# Altium PCB PA_8CH_CTRL.PcbDoc (part 5 of 10) (continued)
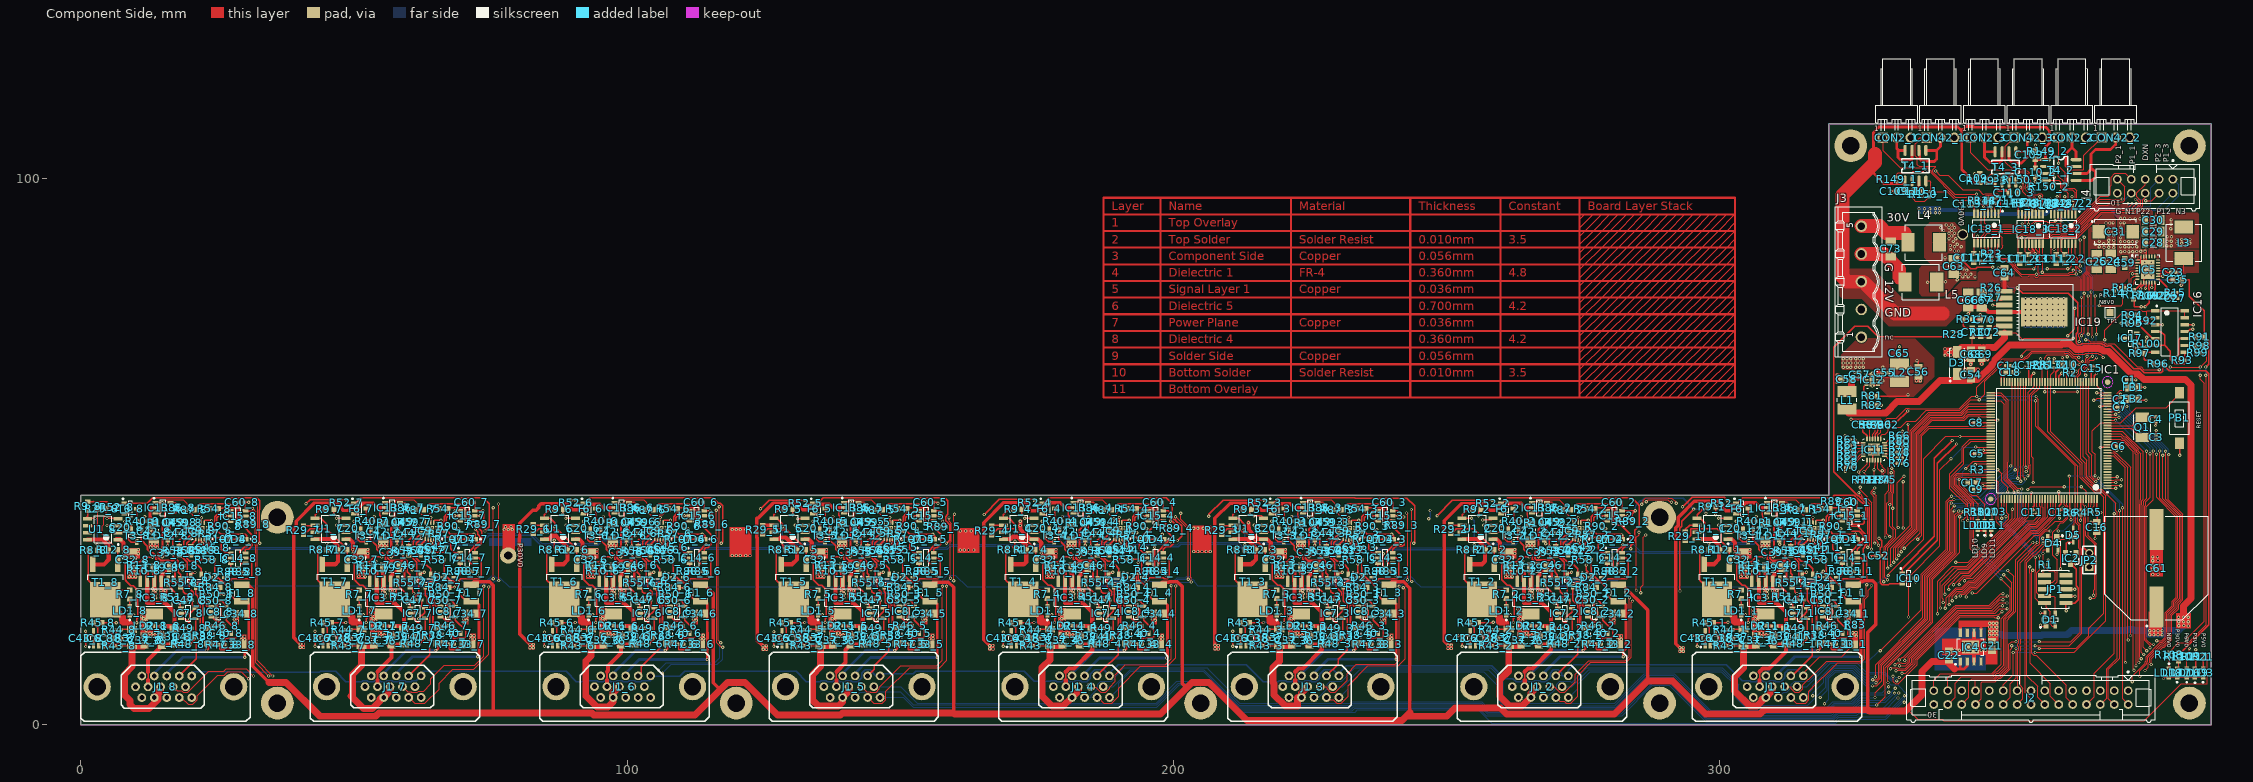
[diagram p0: Component Side view]
## Nets (pads, with @x,y where several pads share a name; then routed paths per layer and width w, separated by ;. In a path a pad name is that pad's centre, name@x,y a point inside that pad or via, vN(x,y) a via of type N, cw(c..) or ccw(c..) an arc to the next point about the centre after c; other vN are vias at no path point) (continued)
  Component Side w0.254: R53_6.2@102.212,32.706 102.059,32.858 102.059,33.786 102.89,34.617 C44_6.1@102.89,35.081 ; C44_6.1@103.119,35.259 103.17,35.31 IC9_6.11@104.369,35.31
MEAS_I_P6V_7: C44_7.1 IC9_7.11 R53_7.2 | length 4.1
  Component Side w0.254: R53_7.2@60.212,32.706 60.059,32.858 60.059,33.786 60.89,34.617 C44_7.1@60.89,35.081 ; C44_7.1@61.119,35.259 61.17,35.31 IC9_7.11@62.369,35.31
MEAS_I_P6V_8: C44_8.1 IC9_8.11 R53_8.2 | length 4.1
  Component Side w0.254: R53_8.2@18.212,32.677 18.059,32.829 18.059,33.757 18.89,34.588 C44_8.1@18.89,35.052 ; C44_8.1@19.119,35.23 19.17,35.281 IC9_8.11@20.369,35.281
MEAS_I_P29V_1: C39_1.1 IC9_1.12 R45_1.2 | length 34.1
  Component Side w0.254: R45_1.2@298.91,18.706 301.459,18.706 v1(301.549,18.796) ; 303.28,26.369 304.112,25.537 304.618,25.537 305.439,24.715 305.439,19.637 305.262,19.459 v1(305.262,18.749) ; 303.303,26.391 303.104,26.591 303.104,29.489 303.512,29.897 305.894,29.897 306.731,30.734 v1(308.127,30.734) ; v1(309.831,30.791) 309.898,30.859 310.714,30.859 310.998,31.142 310.998,31.401 C39_1.1@311.173,31.576 311.574,31.977 312.436,31.977 ; 312.437,31.977 313.65,31.977 313.882,32.208 313.882,33.853 314.838,34.81 IC9_1.12@315.369,34.81
  Solder Side w0.254: v1(301.549,18.796) 305.214,18.796 v1(305.262,18.749) ; v1(308.127,30.734) 309.774,30.734 v1(309.831,30.791)
MEAS_I_P29V_2: C39_2.1 IC9_2.12 R45_2.2 | length 34.1
  Component Side w0.254: R45_2.2@255.91,18.706 258.457,18.706 v1(258.547,18.796) ; 260.28,26.369 261.112,25.537 261.618,25.537 262.439,24.715 262.439,19.637 262.262,19.459 v1(262.262,18.749) ; 260.303,26.391 260.104,26.591 260.104,29.489 260.512,29.897 262.894,29.897 263.731,30.734 v1(265.125,30.734) ; v1(266.831,30.791) 266.898,30.859 267.714,30.859 267.99,31.134 267.99,31.393 C39_2.1@268.173,31.576 268.574,31.977 269.436,31.977 ; 269.437,31.977 270.65,31.977 270.882,32.208 270.882,33.881 271.811,34.81 IC9_2.12@272.369,34.81
  Solder Side w0.254: v1(258.547,18.796) 262.214,18.796 v1(262.262,18.749) ; v1(265.125,30.734) 266.774,30.734 v1(266.831,30.791)
MEAS_I_P29V_3: C39_3.1 IC9_3.12 R45_3.2 | length 33.9
  Component Side w0.254: R45_3.2@213.91,18.706 216.46,18.706 v1(216.502,18.749) ; 218.28,26.369 219.112,25.537 219.618,25.537 220.439,24.715 220.439,19.637 220.262,19.459 v1(220.262,18.749) ; 218.303,26.391 218.104,26.591 218.104,29.489 218.512,29.897 220.894,29.897 221.731,30.734 v1(223.114,30.734) ; v1(224.831,30.791) 224.898,30.859 225.714,30.859 225.99,31.134 225.99,31.393 C39_3.1@226.173,31.576 226.574,31.977 227.436,31.977 ; 227.437,31.977 228.65,31.977 228.882,32.208 228.882,33.613 230.079,34.81 IC9_3.12@230.369,34.81
  Solder Side w0.254: v1(216.502,18.749) v1(220.262,18.749) ; v1(223.114,30.734) 224.774,30.734 v1(224.831,30.791)
MEAS_I_P29V_4: C39_4.1 IC9_4.12 R45_4.2 | length 33.9
  Component Side w0.254: R45_4.2@171.91,18.706 174.46,18.706 v1(174.502,18.749) ; 176.28,26.369 177.112,25.537 177.618,25.537 178.439,24.715 178.439,19.637 178.262,19.459 v1(178.262,18.749) ; 176.303,26.391 176.104,26.591 176.104,29.489 176.512,29.897 178.894,29.897 179.731,30.734 v1(181.127,30.734) ; v1(182.831,30.791) 182.898,30.859 183.714,30.859 183.99,31.134 183.99,31.393 C39_4.1@184.173,31.576 184.574,31.977 185.436,31.977 ; 185.437,31.977 186.65,31.977 186.882,32.208 186.882,33.598 188.093,34.81 IC9_4.12@188.369,34.81
  Solder Side w0.254: v1(174.502,18.749) v1(178.262,18.749) ; v1(181.127,30.734) 182.774,30.734 v1(182.831,30.791)
MEAS_I_P29V_5: C39_5.1 IC9_5.12 R45_5.2 | length 33.9
  Component Side w0.254: R45_5.2@129.91,18.706 132.46,18.706 v1(132.502,18.749) ; 134.28,26.369 135.112,25.537 135.618,25.537 136.439,24.715 136.439,19.637 136.262,19.459 v1(136.262,18.749) ; 134.303,26.391 134.104,26.591 134.104,29.489 134.512,29.897 136.894,29.897 137.731,30.734 v1(139.116,30.734) ; v1(140.831,30.791) 140.898,30.859 141.714,30.859 141.99,31.134 141.99,31.393 C39_5.1@142.173,31.576 142.574,31.977 143.436,31.977 144.65,31.977 144.882,32.208 144.882,33.598 146.093,34.81 IC9_5.12@146.369,34.81
  Solder Side w0.254: v1(132.502,18.749) v1(136.262,18.749) ; v1(139.116,30.734) 140.774,30.734 v1(140.831,30.791)
MEAS_I_P29V_6: C39_6.1 IC9_6.12 R45_6.2 | length 33.9
  Component Side w0.254: R45_6.2@87.91,18.706 90.46,18.706 v1(90.502,18.749) ; 92.28,26.369 93.112,25.537 93.618,25.537 94.439,24.715 94.439,19.637 94.262,19.459 v1(94.262,18.749) ; 92.303,26.391 92.104,26.591 92.104,29.489 92.512,29.897 94.894,29.897 95.731,30.734 v1(97.13,30.734) ; v1(98.831,30.791) 98.898,30.859 99.714,30.859 99.99,31.134 99.99,31.393 C39_6.1@100.173,31.576 100.574,31.977 101.436,31.977 102.65,31.977 102.882,32.208 102.882,33.598 104.093,34.81 IC9_6.12@104.369,34.81
  Solder Side w0.254: v1(90.502,18.749) v1(94.262,18.749) ; v1(97.13,30.734) 98.774,30.734 v1(98.831,30.791)
MEAS_I_P29V_7: C39_7.1 IC9_7.12 R45_7.2 | length 33.9
  Component Side w0.254: R45_7.2@45.91,18.706 48.46,18.706 v1(48.502,18.749) ; 50.28,26.369 51.112,25.537 51.618,25.537 52.439,24.715 52.439,19.637 52.262,19.459 v1(52.262,18.749) ; 50.303,26.391 50.104,26.591 50.104,29.489 50.512,29.897 52.894,29.897 53.731,30.734 v1(55.118,30.734) ; v1(56.831,30.791) 56.898,30.859 57.714,30.859 57.99,31.134 57.99,31.393 C39_7.1@58.173,31.576 58.574,31.977 59.436,31.977 60.65,31.977 60.882,32.208 60.882,33.598 62.093,34.81 IC9_7.12@62.369,34.81
  Solder Side w0.254: v1(48.502,18.749) v1(52.262,18.749) ; v1(55.118,30.734) 56.774,30.734 v1(56.831,30.791)
MEAS_I_P29V_8: C39_8.1 IC9_8.12 R45_8.2 | length 33.9
  Component Side w0.254: R45_8.2@3.91,18.677 6.46,18.677 v1(6.502,18.72) ; 8.28,26.34 9.112,25.508 9.618,25.508 10.439,24.686 10.439,19.608 10.262,19.43 v1(10.262,18.72) ; 8.303,26.362 8.104,26.562 8.104,29.46 8.512,29.868 10.894,29.868 11.735,30.709 v1(13.132,30.709) ; v1(14.91,30.759) 14.98,30.83 15.714,30.83 15.99,31.105 15.99,31.364 C39_8.1@16.173,31.547 16.574,31.948 17.436,31.948 ; 17.437,31.948 18.65,31.948 18.882,32.179 18.882,33.569 20.093,34.781 IC9_8.12@20.369,34.781
  Solder Side w0.254: v1(6.502,18.72) v1(10.262,18.72) ; v1(13.132,30.709) 14.859,30.709 v1(14.91,30.759)
MEAS_P3V3MP_1: C49_1.1 IC9_1.9 R58_1.2 R59_1.1 | length 12.8
  Component Side w0.254: C49_1.1@313.212,36.638 313.283,36.567 314.202,36.567 314.459,36.31 314.761,36.31 314.761,36.427 v1(314.837,36.503) ; v1(314.935,34.087) 314.935,33.869 314.96,33.844 314.388,33.272 314.388,30.54 314.973,29.955 316.728,29.955 317.15,30.377 318.411,30.377 R58_1.2@318.558,30.23
  Solder Side w0.254: v1(314.837,36.503) 314.96,36.381 314.935,36.355 v1(314.935,34.087)
MEAS_P3V3MP_2: C49_2.1 IC9_2.9 R58_2.2 R59_2.1 | length 12.8
  Component Side w0.254: C49_2.1@270.212,36.638 270.283,36.567 271.202,36.567 271.459,36.31 271.761,36.31 271.761,36.427 v1(271.837,36.503) ; v1(271.958,34.138) 271.958,33.841 271.388,33.272 271.388,30.54 272.002,29.926 273.722,29.926 274.172,30.377 275.411,30.377 R58_2.2@275.558,30.23
  Solder Side w0.254: v1(271.837,36.503) 271.958,36.383 v1(271.958,34.138)
MEAS_P3V3MP_3: C49_3.1 IC9_3.9 R58_3.2 R59_3.1 | length 12.9
  Component Side w0.254: C49_3.1@228.212,36.638 228.283,36.567 229.202,36.567 229.459,36.31 229.761,36.31 229.761,36.427 v1(229.837,36.503) ; v1(230.124,34.036) 229.388,33.3 229.388,30.54 229.973,29.955 231.728,29.955 232.15,30.377 233.411,30.377 R58_3.2@233.558,30.23
  Solder Side w0.254: v1(229.837,36.503) 230.124,36.217 v1(230.124,34.036)
MEAS_P3V3MP_4: C49_4.1 IC9_4.9 R58_4.2 R59_4.1 | length 13.2
  Component Side w0.254: C49_4.1@186.212,36.638 186.283,36.567 187.202,36.567 187.459,36.31 187.761,36.31 187.761,36.427 v1(187.837,36.503) ; v1(188.265,33.985) 188.102,33.985 187.388,33.272 187.388,30.54 187.973,29.955 189.728,29.955 190.15,30.377 191.411,30.377 R58_4.2@191.558,30.23
  Solder Side w0.254: v1(187.837,36.503) 188.265,36.076 v1(188.265,33.985)
MEAS_P3V3MP_5: C49_5.1 IC9_5.9 R58_5.2 R59_5.1 | length 13.1
  Component Side w0.254: C49_5.1@144.212,36.638 144.283,36.567 145.202,36.567 145.459,36.31 145.761,36.31 145.761,36.427 v1(145.837,36.503) ; v1(146.279,34.061) 146.178,34.061 145.388,33.272 145.388,30.54 145.973,29.955 147.728,29.955 148.15,30.377 149.411,30.377 R58_5.2@149.558,30.23
  Solder Side w0.254: v1(145.837,36.503) 146.279,36.062 v1(146.279,34.061)
MEAS_P3V3MP_6: C49_6.1 IC9_6.9 R58_6.2 R59_6.1 | length 13
  Component Side w0.254: C49_6.1@102.212,36.638 102.283,36.567 103.202,36.567 103.459,36.31 103.761,36.31 103.761,36.427 v1(103.837,36.503) ; v1(104.191,34.036) 104.152,34.036 103.388,33.272 103.388,30.54 103.973,29.955 105.728,29.955 106.15,30.377 107.411,30.377 R58_6.2@107.558,30.23
  Solder Side w0.254: v1(103.837,36.503) 104.191,36.15 v1(104.191,34.036)
MEAS_P3V3MP_7: C49_7.1 IC9_7.9 R58_7.2 R59_7.1 | length 13.1
  Component Side w0.254: C49_7.1@60.212,36.638 60.283,36.567 61.202,36.567 61.459,36.31 61.761,36.31 61.761,36.427 v1(61.837,36.503) ; v1(62.306,34.188) v1(62.306,34.188) 61.388,33.272 61.388,30.54 61.973,29.955 63.728,29.955 64.15,30.377 65.411,30.377 R58_7.2@65.558,30.23
  Solder Side w0.254: v1(61.837,36.503) 62.306,36.035 v1(62.306,34.188)
MEAS_P3V3MP_8: C49_8.1 IC9_8.9 R58_8.2 R59_8.1 | length 13.1
  Component Side w0.254: C49_8.1@18.212,36.609 18.283,36.538 19.202,36.538 19.459,36.281 19.761,36.281 19.761,36.398 v1(19.837,36.474) ; v1(20.244,34.061) 20.207,34.061 19.388,33.243 19.388,30.511 19.973,29.926 21.728,29.926 22.15,30.348 23.411,30.348 R58_8.2@23.558,30.201
  Solder Side w0.254: v1(19.837,36.474) 20.244,36.068 v1(20.244,34.061)
N8V0: C26.1 C27.1 C28.2 C29.2 C30.2 C31.2 C35.1 C42_1.2 C42_2.2 C42_3.2 C42_4.2 C42_5.2 C42_6.2 C42_7.2 C42_8.2 C59.2 C62.1 IC5.1 IC5.2 IC5.10 IC5.26 IC5.27 IC5.28 IC5.29 IC13_1.2 IC13_2.2 IC13_3.2 IC13_4.2 IC13_5.2 IC13_6.2 IC13_7.2 IC13_8.2 R17.1 R19.1 R20.1 R91.2 R108.1 | length 526.5
  Component Side w0.152: R108.1@382.379,13.203 R108.1@382.28,13.302 383.979,15 385.252,15 385.281,14.971 385.719,14.971 389.055,18.307 389.055,63.945 v2(389,64)
  Component Side w0.254: 54.767,39.759 54.767,38.376 54.908,38.236 54.908,37.383 C42_7.2@55.41,36.881 ; 96.767,39.759 96.767,38.376 96.908,38.236 96.908,37.383 C42_6.2@97.41,36.881 ; 138.767,39.759 138.767,38.376 138.908,38.236 138.908,37.383 C42_5.2@139.41,36.881 ; 180.767,39.759 180.767,38.376 180.908,38.236 180.908,37.383 C42_4.2@181.41,36.881 ; 222.767,39.759 222.767,38.376 222.908,38.236 222.908,37.383 C42_3.2@223.41,36.881 ; 264.767,39.759 264.767,38.376 264.908,38.236 264.908,37.383 C42_2.2@265.41,36.881 ; 307.767,39.759 307.767,38.376 307.908,38.236 307.908,37.383 C42_1.2@308.41,36.881 ; v1(375.586,84.928) 375.911,84.603 IC5.2@376.48,84.603 IC5.29@377.13,84.603 ; R17.1@375.764,77.93 375.891,77.803 375.891,76.558 v1(377.883,76.558) 378.609,77.284 R19.1@378.609,78.108 378.629,78.128 R20.1@380.874,78.082 ; IC5.1@376.48,85.103 IC5.29@377.13,85.103 ; v1(377.11,79.797) 377.11,80.098 377.63,80.618 IC5.10@377.63,80.953 377.63,82.603 IC5.29@378.38,83.353 ; IC5.28@377.13,85.753 IC5.29@377.13,85.103 ; IC5.29@377.263,84.597 377.257,84.603 IC5.29@377.13,84.603 ; IC5.27@377.63,85.753 377.63,84.103 IC5.29@377.13,84.603 ; v1(377.872,86.731) 378.13,86.473 IC5.26@378.13,85.753 IC5.29@378.13,84.453 ; R20.1@380.742,78.082 R20.1@380.874,78.082 ; C26.1@381.885,78.082 R20.1@380.874,78.082 ; C26.1@381.885,78.128 381.931,78.082 382.982,78.082 C27.1@383,78.1 ; C35.1@384.641,81.524 384.665,81.5 386,81.5 386,78.5 388.694,75.806 R91.2@388.694,71.09 389.5,70.284 389.5,66 v2(389,65.5) ; IC5.29@377.13,84.603 IC5.29@377.13,85.103
  Component Side w0.635: v1(12.802,35.712) 12.908,35.818 12.908,37.851 12.678,38.081 12.678,39.25 12.908,39.479 12.908,39.73 IC13_8.2@13.698,39.73 ; v1(40.183,14.808) 39,15.991 39,36.093 39.47,36.563 39.47,37.311 42.774,40.615 46.99,40.615 47.574,40.03 47.574,39.751 48.082,39.243 48.997,39.243 49.352,39.599 50.698,39.599 51.714,40.615 53.467,40.615 54.323,39.759 54.767,39.759 IC13_7.2@55.698,39.759 ; v1(82.245,14.732) 80.35,16.627 80.35,32.71 80.305,32.755 80.305,34.145 80.35,34.19 80.35,36.9 82.761,39.311 83.352,39.311 83.802,39.762 83.802,40.007 84.258,40.462 88.968,40.462 89.255,40.176 89.255,40.133 90.043,39.345 91.084,39.345 91.313,39.573 92.738,39.573 93.565,40.401 95.005,40.401 95.647,39.759 96.767,39.759 IC13_6.2@97.698,39.759 ; v1(124.892,14.453) 123.8,15.544 123.8,34.285 123.705,34.38 123.705,37.82 123.977,37.82 126.721,40.564 130.988,40.564 131.859,39.693 131.859,39.66 132.134,39.385 133.199,39.385 133.573,39.759 134.923,39.759 135.565,40.401 137.005,40.401 137.647,39.759 138.767,39.759 IC13_5.2@139.698,39.759 ; v1(166.395,14.503) 165.275,15.624 165.275,37.03 168.91,40.665 173.05,40.665 173.558,40.157 173.558,39.599 173.965,39.192 174.93,39.192 175.285,39.548 176.491,39.548 177.609,40.665 179.324,40.665 180.23,39.759 180.767,39.759 IC13_4.2@181.698,39.759 ; v1(207.62,14.554) 207.62,37.795 210.388,40.564 214.867,40.564 215.255,40.176 215.255,40.142 216.154,39.243 217.043,39.243 217.21,39.41 217.225,39.41 217.337,39.522 218.669,39.522 219.608,40.462 221.412,40.462 222.115,39.759 222.767,39.759 IC13_3.2@223.698,39.759 ; v1(250.292,14.605) 249.6,15.297 249.6,37.332 252.719,40.451 256.98,40.451 257.255,40.176 257.255,40.001 257.937,39.319 259.055,39.319 259.436,39.7 260.644,39.7 260.98,40.036 260.98,40.056 261.488,40.564 263.652,40.564 264.457,39.759 264.767,39.759 IC13_2.2@265.698,39.759 ; v1(292.735,14.097) 291.98,14.852 291.98,36.073 292.47,36.563 292.47,38.038 295.377,40.945 299.949,40.945 300.533,40.361 300.533,39.776 301.092,39.218 302.032,39.218 302.464,39.649 303.708,39.649 304.749,40.691 306.629,40.691 307.561,39.759 307.767,39.759 IC13_1.2@308.698,39.759 ; v2(384.5,80.5) 384.641,80.641 C35.1@384.641,81.524
  Signal Layer 1 w0.635: v1(12.802,35.712) v1(12.802,35.154) 12.802,34.976 11.285,33.46 11.285,31.025 10.973,30.712 10.973,23.825 17.729,17.069 ; v1(207.62,14.554) 209.974,14.554 210.57,15.15 211.208,15.15 211.478,14.88 214.72,14.88 214.913,15.074 215.551,15.074 216.02,14.605 v1(250.292,14.605)
  Solder Side w0.254: v2(389,64) v2(389,65.5)
  Solder Side w0.762: 337.75,94.25 343.75,94.25 344.5,93.5 359.75,93.5 360.75,94.5 371.627,94.5 v1(373.402,92.725)
  other v1: 293.345,13.462 292.735,13.487 125.527,13.818 124.917,13.843 167.005,13.894 208.229,13.894 166.395,13.919 207.62,13.919 250.901,13.97 250.292,13.995 82.855,14.097 293.319,14.097 82.245,14.122 40.792,14.173 40.183,14.199 125.501,14.453 166.98,14.529 208.204,14.529 250.876,14.605 82.829,14.732 40.767,14.808 13.411,35.128 13.386,35.763 377.175,76.558 377.828,82.215 378.983,82.215 378.406,82.896 377.828,83.576 378.983,83.576 378.406,84.115 377.828,84.653 378.983,84.653 375.586,85.69 373.427,86.629 374.926,86.629 375.612,86.629 374.164,86.655 376.374,86.655 377.11,86.68 373.402,87.493 374.9,87.493 375.586,87.493 374.138,87.518 376.348,87.518 373.402,88.458 374.9,88.458 375.586,88.458 374.138,88.484 376.348,88.484 373.402,89.195 373.402,90.033 373.402,91.074 373.402,91.887 374.088,91.887 375.129,92.598 376.094,92.598 376.958,92.624 374.113,92.725
  other v2: 336.5,93.75 337.5,93.75 338.5,93.75 339.5,93.75 340.25,93.75 336.5,94.5 337.5,94.5 338.5,94.5 339.5,94.5 340.25,94.5
N8V0_CH_1: C33_1.2 J1_1.12 R38_1.2 R47_1.2 | length 19.1
  Component Side w0.508: v1(318.012,13.643) 318.495,14.126 R38_1.2@318.495,14.933 320.237,14.933 R47_1.2@320.438,14.732 320.58,14.59 320.58,13.914 322.111,13.914 C33_1.2@322.929,14.732
  Solder Side w0.508: J1_1.12@307.972,8.98 312.635,13.643 v1(318.012,13.643)
N8V0_CH_2: C33_2.2 J1_2.12 R38_2.2 R47_2.2 | length 19.1
  Component Side w0.508: v1(275.012,13.643) 275.495,14.126 R38_2.2@275.495,14.933 277.237,14.933 R47_2.2@277.438,14.732 277.58,14.59 277.58,13.914 279.111,13.914 C33_2.2@279.929,14.732
  Solder Side w0.508: J1_2.12@264.972,8.98 269.635,13.643 v1(275.012,13.643)
N8V0_CH_3: C33_3.2 J1_3.12 R38_3.2 R47_3.2 | length 19.1
  Component Side w0.508: v1(233.012,13.643) 233.495,14.126 R38_3.2@233.495,14.933 235.237,14.933 R47_3.2@235.438,14.732 235.58,14.59 235.58,13.914 237.111,13.914 C33_3.2@237.929,14.732
  Solder Side w0.508: J1_3.12@222.972,8.98 227.635,13.643 v1(233.012,13.643)
N8V0_CH_4: C33_4.2 J1_4.12 R38_4.2 R47_4.2 | length 19.1
  Component Side w0.508: v1(191.012,13.643) 191.495,14.126 R38_4.2@191.495,14.933 193.237,14.933 R47_4.2@193.438,14.732 193.58,14.59 193.58,13.914 195.111,13.914 C33_4.2@195.929,14.732
  Solder Side w0.508: J1_4.12@180.972,8.98 185.635,13.643 v1(191.012,13.643)
N8V0_CH_5: C33_5.2 J1_5.12 R38_5.2 R47_5.2 | length 19.1
  Component Side w0.508: v1(149.012,13.643) 149.495,14.126 R38_5.2@149.495,14.933 151.237,14.933 R47_5.2@151.438,14.732 151.58,14.59 151.58,13.914 153.111,13.914 C33_5.2@153.929,14.732
  Solder Side w0.508: J1_5.12@138.972,8.98 143.635,13.643 v1(149.012,13.643)
N8V0_CH_6: C33_6.2 J1_6.12 R38_6.2 R47_6.2 | length 19.1
  Component Side w0.508: v1(107.012,13.643) 107.495,14.126 R38_6.2@107.495,14.933 109.237,14.933 R47_6.2@109.438,14.732 109.58,14.59 109.58,13.914 111.111,13.914 C33_6.2@111.929,14.732
  Solder Side w0.508: J1_6.12@96.972,8.98 101.635,13.643 v1(107.012,13.643)
N8V0_CH_7: C33_7.2 J1_7.12 R38_7.2 R47_7.2 | length 19.1
  Component Side w0.508: v1(65.012,13.643) 65.495,14.126 R38_7.2@65.495,14.933 67.237,14.933 R47_7.2@67.438,14.732 67.58,14.59 67.58,13.914 69.111,13.914 C33_7.2@69.929,14.732
  Solder Side w0.508: J1_7.12@54.972,8.98 59.635,13.643 v1(65.012,13.643)
N8V0_CH_8: C33_8.2 J1_8.12 R38_8.2 R47_8.2 | length 19.1
  Component Side w0.508: v1(23.012,13.614) 23.495,14.097 R38_8.2@23.495,14.904 25.237,14.904 R47_8.2@25.438,14.703 25.58,14.561 25.58,13.885 27.111,13.885 C33_8.2@27.929,14.703
  Solder Side w0.508: J1_8.12@12.972,8.951 17.635,13.614 v1(23.012,13.614)
NetC1_1: C1.1 FB1.1 IC1.33 | length 6.4
  Component Side w0.152: IC1.33@371.024,59.295 372.146,59.295 372.77,59.919 372.77,60.692 373.369,61.29 FB1.1@374.675,61.29 ; C1.1@374.63,63.144 374.63,61.959 FB1.1@374.817,61.773
NetC2_1: C2.1 FB2.1 IC1.32 | length 3.9
  Component Side w0.152: IC1.32@371.024,58.795 372.332,58.795 372.669,59.131 FB2.1@374.752,59.131
NetC3_1: C3.1 IC1.23 Q1.1 | length 8.7
  Component Side w0.152: IC1.23@371.024,54.295 375.346,54.295 Q1.1@376.504,53.137 ; Q1.1@377.368,52.608 377.771,52.204 C3.1@379.908,52.204
NetC4_1: C4.1 IC1.24 Q1.2 | length 8.5
  Component Side w0.152: IC1.24@371.024,54.795 375.546,54.795 Q1.2@376.58,55.829 ; Q1.2@377.368,56.308 377.466,56.406 C4.1@379.806,56.406
NetC17_2: C17.2 IC1.106 | length 2.7
  Component Side w0.152: C17.2@346.977,44.348 347.031,44.295 347.89,44.295 347.939,44.344 349.575,44.344 IC1.106@349.624,44.295
NetC18_2: C18.2 IC1.71 | length 1.7
  Component Side w0.152: IC1.71@352.074,62.745 C18.2@352.074,64.482
NetC20_1_2: C20_1.2 T3_1.3 U1_1.2 | length 5.2
  Component Side w0.254: U1_1.2@301.535,35.271 302.727,35.271 C20_1.2@303.026,35.571 303.407,35.19 303.407,34.294 304.202,33.499 T3_1.3@305.236,33.499
NetC20_2_2: C20_2.2 T3_2.3 U1_2.2 | length 5.2
  Component Side w0.254: U1_2.2@258.535,35.271 259.727,35.271 C20_2.2@260.026,35.571 260.407,35.19 260.407,34.294 261.202,33.499 T3_2.3@262.236,33.499
NetC20_3_2: C20_3.2 T3_3.3 U1_3.2 | length 5.2
  Component Side w0.254: U1_3.2@216.535,35.271 217.727,35.271 C20_3.2@218.026,35.571 218.407,35.19 218.407,34.294 219.202,33.499 T3_3.3@220.236,33.499
NetC20_4_2: C20_4.2 T3_4.3 U1_4.2 | length 5.2
  Component Side w0.254: U1_4.2@174.535,35.271 175.727,35.271 C20_4.2@176.026,35.571 176.407,35.19 176.407,34.294 177.202,33.499 T3_4.3@178.236,33.499
NetC20_5_2: C20_5.2 T3_5.3 U1_5.2 | length 5.2
  Component Side w0.254: U1_5.2@132.535,35.271 133.727,35.271 C20_5.2@134.026,35.571 134.407,35.19 134.407,34.294 135.202,33.499 T3_5.3@136.236,33.499
NetC20_6_2: C20_6.2 T3_6.3 U1_6.2 | length 5.2
  Component Side w0.254: U1_6.2@90.535,35.271 91.727,35.271 C20_6.2@92.026,35.571 92.407,35.19 92.407,34.294 93.202,33.499 T3_6.3@94.236,33.499
NetC20_7_2: C20_7.2 T3_7.3 U1_7.2 | length 5.2
  Component Side w0.254: U1_7.2@48.535,35.271 49.727,35.271 C20_7.2@50.026,35.571 50.407,35.19 50.407,34.294 51.202,33.499 T3_7.3@52.236,33.499
NetC20_8_2: C20_8.2 T3_8.3 U1_8.2 | length 5.6
  Component Side w0.254: U1_8.2@6.535,35.242 7.828,35.242 C20_8.2@8.306,35.72 8.407,35.618 8.407,34.265 9.202,33.47 T3_8.3@10.236,33.47
NetC21_2: C21.2 C54.1 C61.1 D3.1 IC4.5 IC4.8 L1.1 | length 150.4
  Component Side w1.27: L1.1@323.596,57.125 330.454,57.125 332.511,59.182 336.474,59.182 340.335,63.043 C54.1@346.025,63.043 ; C54.1@346.025,63.2 347.229,63.2 349.839,65.81 349.839,65.956 350.389,66.505 350.389,66.86 353.085,69.557 362.542,69.557 362.7,69.714 364.173,69.714 365.2,68.687 366.467,68.687 366.673,68.892 369.564,68.892 369.755,68.701 370.02,68.701 370.325,68.396 371.204,68.396 375.358,64.242 376.621,64.242 377.663,63.2 385.313,63.2 386.309,62.205 386.309,23.165 384.912,21.768 v1(384.912,19.685) 384.912,19.558 v1@384.962,19.507
  Solder Side w1.27: v1@350.342,16.586 351.538,16.586 351.787,16.337 358.95,16.337 359.112,16.5 363.642,16.5 364.392,17.25 374.563,17.25 374.758,17.445 375.659,17.445 375.854,17.25 384.026,17.25 v1(384.962,18.186)
  other v1: 349.453,16.434 350.114,16.434 350.749,16.434 349.453,17.145 350.114,17.145 350.749,17.145 350.749,17.882 349.453,17.907 350.088,17.907 385.801,18.11 384.048,18.161 349.453,18.618 350.088,18.618 350.749,18.618 385.801,18.872 384.048,18.898 384.937,18.898 383.997,19.71 385.801,19.71
  other v2: 378.75,16.5 379.5,16.5 380.25,16.5 381,16.5 378.75,17.25 379.5,17.25 380.25,17.25 381,17.25
NetC23_1: C23.1 IC5.18 | length 2.5
  Component Side w0.254: IC5.18@380.28,83.103 381.602,83.103 381.929,82.776 C23.1@382.647,82.776
NetC23_2: C23.2 IC5.19 IC5.20 IC5.21 IC5.22 IC5.23 IC5.24 IC5.25 L3.1 | length 3.6
  Component Side w0.152: C23.2@383.5,82.85 384.85,82.85 385,83 385,84.6 L3.1@385.325,84.925
NetC26_2: C26.2 IC5.15 R15.2 | length 4.5
  Component Side w0.254: IC5.15@380.28,81.603 380.486,81.603 381.885,80.203 C26.2@381.885,79.028 382.833,79.028 R15.2@382.93,79.125 ; 381.911,79.822 381.936,79.797
NetC27_2: C27.2 R15.1 | length 1
  Component Side w0.152: R15.1@383.87,79.125 383.9,79.095 C27.2@383.9,78.1
NetC38_1_1: C38_1.1 IC6_1.4 R43_1.1 | length 6
  Component Side w0.254: IC6_1.4@299.252,17.175 299.252,16.741 299.948,16.045 299.948,15.217 300.171,14.994 300.999,14.994 R43_1.1@301.515,14.478 301.515,14.677 302.007,15.169 302.206,15.169 302.404,15.367 C38_1.1@302.404,15.875
NetC38_1_2: C38_1.2 IC6_1.3 R44_1.1 | length 7
  Component Side w0.254: IC6_1.3@299.252,14.575 299.341,14.486 300.228,14.486 300.232,14.482 v1(300.232,14.304) ; v1(300.537,16.971) 300.804,16.704 C38_1.2@300.804,15.875 301.515,16.586 R44_1.1@301.515,17.399
  Solder Side w0.254: v1(300.232,14.304) 300.232,16.666 v1(300.537,16.971)
NetC38_2_1: C38_2.1 IC6_2.4 R43_2.1 | length 6
  Component Side w0.254: IC6_2.4@256.252,17.175 256.252,16.741 256.948,16.045 256.948,15.217 257.171,14.994 257.999,14.994 R43_2.1@258.515,14.478 258.515,14.677 259.007,15.169 259.206,15.169 259.404,15.367 C38_2.1@259.404,15.875
NetC38_2_2: C38_2.2 IC6_2.3 R44_2.1 | length 7
  Component Side w0.254: IC6_2.3@256.252,14.575 256.341,14.486 257.228,14.486 257.232,14.482 v1(257.232,14.304) ; v1(257.537,16.971) 257.804,16.704 C38_2.2@257.804,15.875 258.515,16.586 R44_2.1@258.515,17.399
  Solder Side w0.254: v1(257.232,14.304) 257.232,16.666 v1(257.537,16.971)
NetC38_3_1: C38_3.1 IC6_3.4 R43_3.1 | length 6
  Component Side w0.254: IC6_3.4@214.252,17.175 214.252,16.741 214.948,16.045 214.948,15.217 215.171,14.994 215.999,14.994 R43_3.1@216.515,14.478 216.515,14.677 217.007,15.169 217.206,15.169 217.404,15.367 C38_3.1@217.404,15.875
NetC38_3_2: C38_3.2 IC6_3.3 R44_3.1 | length 7
  Component Side w0.254: IC6_3.3@214.252,14.575 214.341,14.486 215.228,14.486 215.232,14.482 v1(215.232,14.304) ; v1(215.537,16.971) 215.804,16.704 C38_3.2@215.804,15.875 216.515,16.586 R44_3.1@216.515,17.399
  Solder Side w0.254: v1(215.232,14.304) 215.232,16.666 v1(215.537,16.971)
NetC38_4_1: C38_4.1 IC6_4.4 R43_4.1 | length 6
  Component Side w0.254: IC6_4.4@172.252,17.175 172.252,16.741 172.948,16.045 172.948,15.217 173.171,14.994 173.999,14.994 R43_4.1@174.515,14.478 174.515,14.677 175.007,15.169 175.206,15.169 175.404,15.367 C38_4.1@175.404,15.875
NetC38_4_2: C38_4.2 IC6_4.3 R44_4.1 | length 7
  Component Side w0.254: IC6_4.3@172.252,14.575 172.341,14.486 173.228,14.486 173.232,14.482 v1(173.232,14.304) ; v1(173.537,16.971) 173.804,16.704 C38_4.2@173.804,15.875 174.515,16.586 R44_4.1@174.515,17.399
  Solder Side w0.254: v1(173.232,14.304) 173.232,16.666 v1(173.537,16.971)
NetC38_5_1: C38_5.1 IC6_5.4 R43_5.1 | length 6
  Component Side w0.254: IC6_5.4@130.252,17.175 130.252,16.741 130.948,16.045 130.948,15.217 131.171,14.994 131.999,14.994 R43_5.1@132.515,14.478 132.515,14.677 133.007,15.169 133.206,15.169 133.404,15.367 C38_5.1@133.404,15.875
NetC38_5_2: C38_5.2 IC6_5.3 R44_5.1 | length 7
  Component Side w0.254: IC6_5.3@130.252,14.575 130.341,14.486 131.228,14.486 131.232,14.482 v1(131.232,14.304) ; v1(131.537,16.971) 131.804,16.704 C38_5.2@131.804,15.875 132.515,16.586 R44_5.1@132.515,17.399
  Solder Side w0.254: v1(131.232,14.304) 131.232,16.666 v1(131.537,16.971)
NetC38_6_1: C38_6.1 IC6_6.4 R43_6.1 | length 6
  Component Side w0.254: IC6_6.4@88.252,17.175 88.252,16.741 88.948,16.045 88.948,15.217 89.171,14.994 89.999,14.994 R43_6.1@90.515,14.478 90.515,14.677 91.007,15.169 91.206,15.169 91.404,15.367 C38_6.1@91.404,15.875
NetC38_6_2: C38_6.2 IC6_6.3 R44_6.1 | length 7
  Component Side w0.254: IC6_6.3@88.252,14.575 88.341,14.486 89.228,14.486 89.232,14.482 v1(89.232,14.304) ; v1(89.537,16.971) 89.804,16.704 C38_6.2@89.804,15.875 90.515,16.586 R44_6.1@90.515,17.399
  Solder Side w0.254: v1(89.232,14.304) 89.232,16.666 v1(89.537,16.971)
NetC38_7_1: C38_7.1 IC6_7.4 R43_7.1 | length 6
  Component Side w0.254: IC6_7.4@46.252,17.175 46.252,16.741 46.948,16.045 46.948,15.217 47.171,14.994 47.999,14.994 R43_7.1@48.515,14.478 48.515,14.677 49.007,15.169 49.206,15.169 49.404,15.367 C38_7.1@49.404,15.875
NetC38_7_2: C38_7.2 IC6_7.3 R44_7.1 | length 7
  Component Side w0.254: IC6_7.3@46.252,14.575 46.341,14.486 47.228,14.486 47.232,14.482 v1(47.232,14.304) ; v1(47.537,16.971) 47.804,16.704 C38_7.2@47.804,15.875 48.515,16.586 R44_7.1@48.515,17.399
  Solder Side w0.254: v1(47.232,14.304) 47.232,16.666 v1(47.537,16.971)
NetC38_8_1: C38_8.1 IC6_8.4 R43_8.1 | length 6
  Component Side w0.254: IC6_8.4@4.252,17.146 4.252,16.712 4.948,16.016 4.948,15.188 5.171,14.965 5.999,14.965 R43_8.1@6.515,14.449 6.515,14.648 7.007,15.14 7.206,15.14 7.404,15.338 C38_8.1@7.404,15.846